# Altium PCB Beethoven-Clock_Brain-PCB.PcbDoc (part 2 of 2)
Units mm, origin at the board's own origin, x right, y up, seen from the top; angles counter-clockwise.
Board outline 45 x 115 mm, 4 copper layers (Top Layer, Mid 1 - GND, Mid 2 - PWR, Bottom Layer), stack 1.612 mm thick; 137 components, 77 nets, 403 pads, 213 vias.
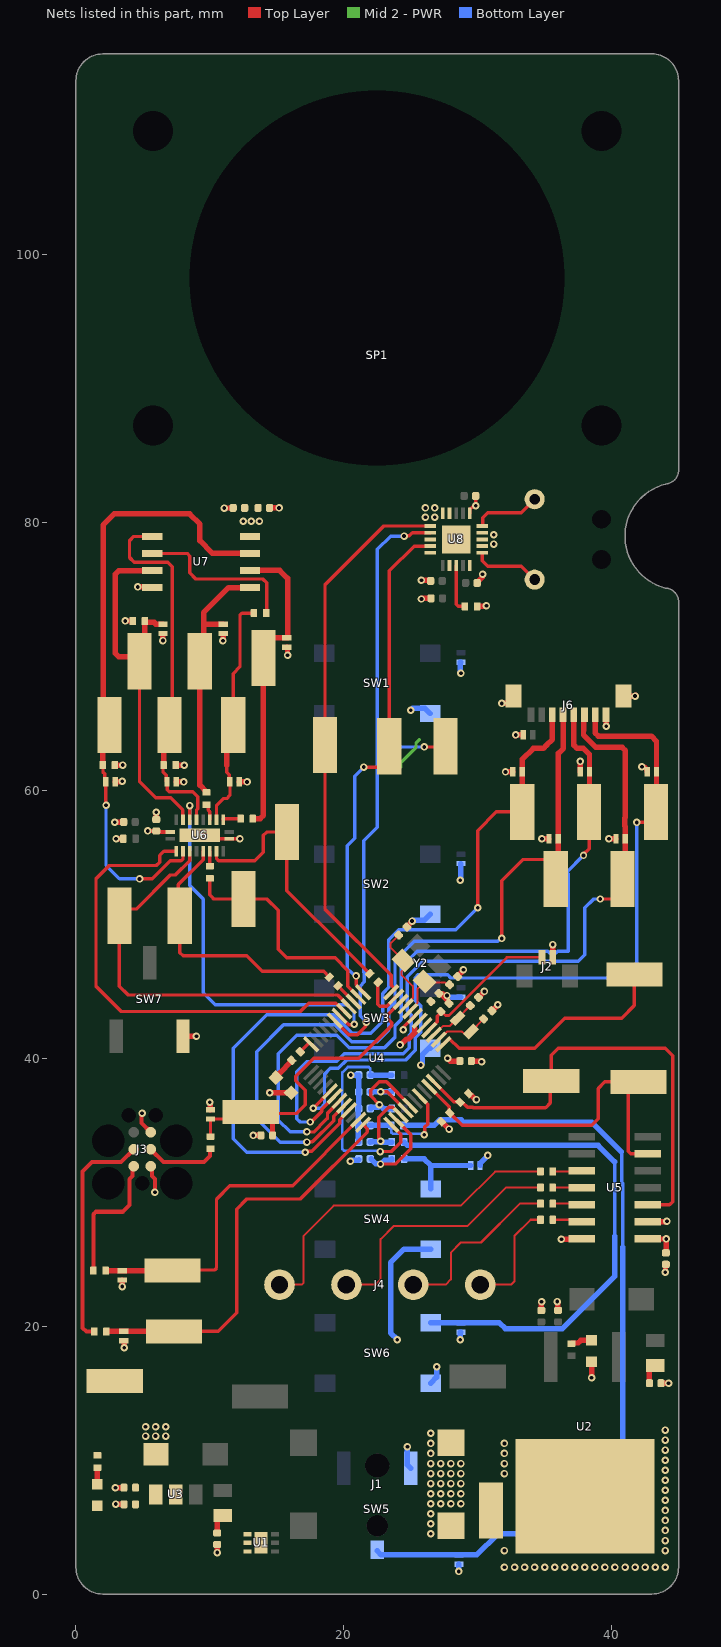
[diagram p4: the nets of this part, all layers, seen from the top]

## Via types
v1: diameter 0.559, hole 0.279, Top Layer to Bottom Layer, tented both sides, 213 vias

## Nets (pads, with @x,y where several pads share a name; then routed paths per layer and width w, separated by ;. In a path a pad name is that pad's centre, name@x,y a point inside that pad or via, vN(x,y) a via of type N, cw(c..) or ccw(c..) an arc to the next point about the centre after c; other vN are vias at no path point) (continued)
GND: C1.1 C2.1 C3.1 C4.1 C5.1 C6.1 C7.1 C8.1 C9.1 C10.1 C11.1 C12.1 C13.1 C14.1 C15.1 C16.1 C17.1 C18.1 C19.1 C20.1 C21.1 C22.2 C23.1 C24.1 C25.1 C26.1 C27.1 C31.1 C32.1 D2.2 D4.2 D5.2 D6.2 D7.2 D8.2 D9.2 D10.2 D11.2 D12.2 D13.2 D14.2 D15.2 D16.2 D17.2 D18.2 D19.2 D20.2 D21.2 D22.2 D23.2 D24.2 D25.2 D26.2 J1.2 J1.3 J2.2 J3.5 J6.8 J6.SH R22.1 R27.2 SW1.2 SW2.2 SW3.2 SW4.2 SW5.3 SW6.2 TP10.1 U1.1 U1.2 U1.3 U1.PAD U2.2 U3.2 U4.7 U5.2 U5.14 U6.10 U6.21 U7.4 U8.1 U8.4 U8.5 U8.8 U8.10 U8.12 U8.15 U8.17 U8.18 U8.19 U8.21 | length 73.5
  Top Layer w0.152: U7.4@5.549,75.199 U7.4@5.71,75.36
  Top Layer w0.254: U6.21@9.25,56.65 9.5,56.4 U6.10@11.45,56.4 v1(12.25,56.4) ; v1(24.433,42.133) 24.492,42.191 24.492,42.345 U4.7@25.32,43.173 ; U8.1@29.4,80.7 29.4,80.985 29.615,81.2 29.801,81.2 v1(29.86,81.258) ; v1@29.85,81.319 C26.1@29.85,82
  Top Layer w0.305: v1@5,36 4.942,35.942 v1(4.942,35.906) 4.9,35.864 4.9,35.173 J3.5@5.589,34.484
  Top Layer w0.406: v1(2.908,57.621) 2.922,57.636 3.556,57.636 C23.1@3.57,57.65 ; D19.2@2.925,60.65 2.925,60.664 2.928,60.667 3.446,60.667 v1(3.463,60.684) ; v1@2.956,7.95 C4.1@3.59,7.95 ; v1(2.984,6.719) 2.993,6.709 3.581,6.709 C5.1@3.59,6.7 ; v1(3,56.4) R22.1@3.545,56.4 ; v1(3.461,22.962) 3.466,22.967 3.466,23.45 D8.2@3.47,23.453 ; D7.2@3.57,18.928 3.597,18.928 3.6,18.925 v1(3.6,18.4) ; v1(3.68,72.665) 3.688,72.658 4.237,72.658 R27.2@4.245,72.65 ; v1(4.611,75.199) U7.4@5.549,75.199 ; C22.2@6,57.83 v1(6,58.384) ; v1(6.5,71.197) 6.5,71.722 6.4,71.722 6.403,71.725 D17.2@6.5,71.725 ; D15.2@7.5,60.65 7.5,60.649 7.503,60.645 8.042,60.645 v1(8.046,60.641) ; v1(10.55,3.1) C6.1@10.55,3.7 ; v1(10.981,71.182) 10.991,71.191 10.991,71.722 10.994,71.725 D20.2@11,71.725 ; v1(11.078,81.087) 11.085,81.093 11.733,81.093 C25.1@11.74,81.1 ; D16.2@12.2,60.65 12.2,60.648 12.203,60.645 12.775,60.645 v1(12.78,60.64) ; C24.1@14.46,81.1 v1@15.165,81.099 ; D18.2@15.75,70.7 15.797,70.7 15.8,70.697 v1(15.8,70.1) ; C20.1@24.708,49.808 24.708,49.833 25.102,50.227 v1(25.102,50.252) ; v1(25.8,74.3) 25.85,74.35 C32.1@26.52,74.35 ; v1(25.8,75.7) 26.44,75.7 C31.1@26.49,75.65 ; C16.1@27.108,44.858 27.129,44.837 27.359,44.837 27.468,44.728 v1@27.468,44.711 ; v1(27.708,44.693) 27.689,44.711 v1@27.468,44.711 ; C17.1@27.858,44.108 27.858,44.203 27.468,44.593 v1@27.468,44.711 ; C15.1@28.508,46.108 28.508,46.145 28.935,46.572 v1(28.935,46.61) ; C27.1@29.96,75.5 29.96,75.53 30.334,75.904 30.334,76.128 v1(30.363,76.157) ; C19.1@30.054,44.554 v1(30.5,45) ; C14.1@31.054,43.554 v1(31.5,44) ; v1(31.8,66.5) 32.278,66.5 32.675,66.897 J6.SH@32.675,67.05 ; v1(32.077,61.39) 32.082,61.395 32.622,61.395 D21.2@32.625,61.4 D21.2@32.625,61.4 ; v1@32.8,64.1 v1(32.85,64.15) D26.2@33.4,64.15 ; C1.1@34.75,21.18 34.76,21.19 34.76,21.823 v1(34.77,21.833) ; v1(34.8,56.4) D22.2@35.325,56.4 ; v1(35.946,21.842) 35.973,21.815 35.973,21.207 C2.1@36,21.18 ; v1(36.25,26.5) 37.742,26.5 U5.14@37.772,26.53 ; D23.2@37.65,61.4 37.652,61.402 37.652,62.172 v1(37.655,62.175) ; v1(38.5,16.15) D2.2@38.5,17.35 ; J6.8@39.575,65.65 39.6,65.625 39.588,65.613 39.588,64.812 v1(39.6,64.8) ; v1(39.8,56.4) D24.2@40.325,56.4 ; J6.SH@40.925,67 J6.SH@40.875,67.05 v1(41.75,67.05) v1@41.8,67.1 ; v1(42.262,61.768) 42.292,61.739 42.455,61.739 42.65,61.544 D25.2@42.65,61.4 ; U5.2@42.7,27.8 42.716,27.816 44.113,27.816 v1(44.129,27.832) ; C3.1@43.68,15.75 v1(44.25,15.75) ; v1(43.997,24.035) 44.024,24.062 44.024,24.594 C21.1@44.05,24.62
  Top Layer w0.407: v1(9.985,36.726) 10.014,36.697 10.014,36.179 10.018,36.175 D6.2@10.05,36.175 ; v1(13.25,34.25) C13.1@13.82,34.25 ; v1@14.4,37.5 v1(14.466,37.434) D5.2@16.066,37.434 ; C18.1@29.53,39.8 29.555,39.775 30.268,39.775 v1(30.293,39.751) ; J2.2@35.6,47.548 v1(35.6,48.5)
  Bottom Layer w0.406: v1(20.494,32.316) 20.535,32.316 20.622,32.403 21.088,32.403 C11.1@21.136,32.451 ; v1(20.529,38.754) 21.111,38.754 C12.1@21.115,38.75 C9.1@21.115,37.5 C8.1@21.115,36.25 21.093,36.228 21.093,35.023 21.07,35 21.093,34.978 21.093,33.772 C10.1@21.115,33.75 ; v1(24.75,11) 24.75,9.65 SW5.3@25,9.4 ; v1(25,66) 25.157,66.157 26.043,66.157 SW1.2@26.45,65.75 ; v1(25.102,50.252) 25.143,50.252 25.194,50.303 26.003,50.303 SW2.2@26.45,50.75 ; v1(25.75,39.5) 25.878,39.628 25.878,40.303 26.625,41.05 SW3.2@26.75,41.05 ; v1(27.708,44.693) 27.749,44.693 27.867,44.575 D11.2@28.75,44.575 ; v1(28.579,1.688) 28.589,1.699 28.589,2.222 28.593,2.225 D14.2@28.6,2.225 ; v1(28.7,19) 28.7,19.547 28.703,19.55 D9.2@28.75,19.55 ; v1(28.7,53.3) 28.75,53.35 D12.2@28.75,54.55 ; v1(28.75,68.75) 28.694,68.806 28.694,69.094 28.7,69.1 28.7,69.572 28.703,69.575 D13.2@28.75,69.575
  Bottom Layer w0.407: v1(24,19) 23.5,19.5 23.5,24.75 24.5,25.75 SW4.2@26.5,25.75 ; SW3.2@26.45,40.75 SW3.2@26.75,41.05 ; SW6.2@26.5,15.75 26.942,16.192 v1(26.942,16.967) ; D10.2@30.175,32 30.175,32.143 30.75,32.718 v1(30.75,32.75)
  other v1: 32,2 32.75,2 33.5,2 34.25,2 35,2 35.75,2 36.5,2 37.25,2 38,2 38.75,2 39.5,2 40.25,2 41,2 41.75,2 42.5,2 43.25,2 44,2 32,3.25 44,3.25 44,4 26.5,4.5 44,4.75 26.5,5.25 44,5.5 26.5,6 44,6.25 26.5,6.75 27.25,6.75 28,6.75 28.75,6.75 44,7 26.5,7.5 27.25,7.5 28,7.5 28.75,7.5 44,7.75 2.955,7.949 26.5,8.25 27.25,8.25 28,8.25 28.75,8.25 44,8.5 26.5,9 27.25,9 28,9 28.75,9 32,9 44,9.25 26.5,9.75 27.25,9.75 28,9.75 28.75,9.75 32,9.75 44,10 26.5,10.5 32,10.5 44,10.75 26.5,11.25 32,11.25 44,11.5 26.5,12 44,12.25 31.2,78.4 31.2,79.1 26.1,80.4 26.8,80.4 15.165,81.098 26.1,81.1 26.8,81.1
HOUR_SET_BUTTON: D10.1 R7.2 SW4.1 | length 6.9
  Bottom Layer w0.406: R7.2@24.5,32.5 26,32.5 26.5,32 ; SW4.1@26.5,30.25 26.5,32 ; D10.1@29.475,32 26.5,32
HSE_IN: C15.2 U4.8 Y2.2 | length 4.6
  Top Layer w0.152: U4.8@24.966,43.527 24.966,43.617 25.515,44.166 25.515,45.209 26.037,45.731 26.101,45.668 26.806,45.668 26.808,45.67 27.543,45.67 27.713,45.5 C15.2@27.9,45.5
HSE_OUT: C20.2 U4.9 Y2.1 | length 6.6
  Top Layer w0.152: C20.2@24.1,49.2 23.503,48.603 23.503,48.266 Y2.1@24.456,47.312 24.456,46.615 24.3,46.458 24.3,46.245 25.159,45.386 25.159,44.517 24.613,43.971 U4.9@24.613,43.881
I2C_SCL: R15.1 TP8.1 U4.45 U5.6 | length 26.8
  Top Layer w0.254: U4.45@26.381,37.887 27.883,36.385 27.883,35.961 28.843,35 38.5,35 39,35.5 39,37.75 39.5,38.25 TP8.1@42,38.25 41.25,37.5 41.25,33.049 41.419,32.88 U5.6@42.7,32.88
I2C_SDA: R14.1 TP9.1 U4.46 U5.3 | length 35.6
  Top Layer w0.254: U4.46@26.734,38.241 28.203,36.772 28.639,36.772 R14.1@28.678,36.733 28.845,36.733 29.238,36.34 29.632,36.34 29.657,36.315 35.065,36.315 35.418,36.668 35.418,38.218 TP9.1@35.5,38.3 35.5,40.25 36,40.75 44,40.75 44.554,40.196 44.554,29.304 44.32,29.07 U5.3@42.7,29.07
I2S_CLK: TP22.1 U4.12 U8.6 | length 42.3
  Top Layer w0.254: U4.12@23.552,44.941 23.806,45.195 23.806,45.214 23.552,45.468 23.552,46.198 18.6,51.15 TP22.1@18.6,63.4 18.6,75.35 23,79.75 U8.6@26.45,79.75
I2S_DATA: TP23.1 U4.13 U8.9 | length 37.8
  Top Layer w0.254: v1(20.92,46.156) 20.92,45.487 21.448,44.96 U4.13@21.448,44.941 ; v1(21.5,61.75) 22.627,61.75 23.4,62.523 TP23.1@23.4,63.3 23.4,76.4 25.25,78.25 U8.9@26.45,78.25
  Bottom Layer w0.254: v1(20.92,46.156) 20.838,46.156 20.474,46.52 20.43,46.52 20.25,46.7 20.25,55.862 20.819,56.431 20.819,61.069 v1(21.5,61.75)
I2S_WS: TP24.1 U4.19 U8.7 | length 49
  Top Layer w0.254: U4.19@19.327,42.82 20.372,41.774 21.024,41.774 21.609,42.359 21.609,42.4 21.636,42.427 21.636,42.642 v1(21.694,42.7) ; v1(24.5,79) 24.523,79.023 24.903,79.023 25.13,79.25 U8.7@26.45,79.25 ; v1(26,63.25) 27.55,63.25 TP24.1@27.6,63.3
  Bottom Layer w0.254: v1(21.694,42.7) 21.223,43.172 21.223,45.399 21.53,45.706 21.53,46.409 21.5,46.439 21.5,56.25 22.5,57.25 22.5,63.25 ; v1(24.5,79) 23.5,79 22.5,78 22.5,63.25 ; v1(26,63.25) 22.5,63.25
Key0: J4.1 R13.1 | length 8.5
  Top Layer w0.152: J4.1@30.2,23.1 32.484,23.1 32.75,23.366 32.75,26.75 33.95,27.95 R13.1@34.69,27.95
Key1: J4.2 R16.1 | length 13.2
  Top Layer w0.152: J4.2@25.2,23.1 27.6,23.1 28,23.5 28,25.5 28.75,26.25 30.25,26.25 33.15,29.15 R16.1@34.69,29.15
Key2: J4.3 R17.1 | length 19.3
  Top Layer w0.152: J4.3@20.2,23.1 22.35,23.1 22.75,23.5 22.75,26.5 23.75,27.5 29.25,27.5 32.1,30.35 R17.1@34.69,30.35
Key3: J4.4 R18.1 | length 25
  Top Layer w0.152: J4.4@15.2,23.1 16.85,23.1 17,23.25 17,26.75 19.25,29 28.75,29 31.3,31.55 R18.1@34.69,31.55
LSE_IN: C14.2 U4.2 Y1.2 | length 4.1
  Top Layer w0.152: U4.2@27.088,41.406 27.12,41.406 27.721,42.007 28.823,42.007 29.002,41.828 29.318,41.828 Y1.2@29.495,42.005 29.505,42.005 C14.2@30.446,42.946
LSE_OUT: C19.2 U4.3 Y1.1 | length 3.6
  Top Layer w0.152: U4.3@26.734,41.759 26.777,41.759 27.439,42.421 27.931,42.421 Y1.1@28.505,42.995 28.505,43.005 C19.2@29.446,43.946
MEM_nRST: U4.18 U6.17 | length 29.6
  Top Layer w0.254: v1(8.491,58.875) 8.496,58.87 8.496,57.829 U6.17@8.5,57.825 ; U4.18@19.68,43.173 19.698,43.173 20.356,42.516 20.748,42.516 v1(20.79,42.558)
  Bottom Layer w0.254: v1(8.491,58.875) 8.491,52.909 9.5,51.9 9.5,44.9 10.4,44 20.25,44 20.765,43.485 20.765,42.582 v1(20.79,42.558)
MEM_nRST_BUFF: D19.1 R25.1 TP19.1 U6.3 U7.7 | length 46.5
  Top Layer w0.25: R25.1@2,61.9 2.023,61.877 2.023,61.377 2.15,61.25 2.15,60.725 2.238,60.638 2.238,58.913 v1(2.25,58.9) ; v1(4.75,53.4) 5.706,53.4 7.053,54.747 7.847,54.747 8,54.9 U6.3@8,55.475
  Top Layer w0.406: R25.1@2,61.9 2,64.4 TP19.1@2.5,64.9 2.032,65.368 2.032,79.826 2.856,80.65 8.5,80.65 9.25,79.9 9.25,78.65 10.176,77.724 U7.7@12.976,77.724
  Bottom Layer w0.25: v1(2.25,58.9) 2.25,54.4 3.25,53.4 v1(4.75,53.4)
MEM_nWP: U4.17 U6.2 | length 35
  Top Layer w0.254: U6.2@7.5,55.475 6.575,55.475 6.25,55.15 6.25,54.65 6,54.4 2.5,54.4 1.5,53.4 1.5,45.4 3.4,43.5 16.75,43.5 17.376,44.126 19.416,44.126 20.015,43.527 U4.17@20.034,43.527
MEM_nWP_BUFF: D17.1 R27.1 TP11.1 U6.18 U7.3 | length 29.3
  Top Layer w0.25: TP11.1@4.75,69.65 4.75,60.65 5.951,59.449 7.095,59.449 7.955,58.589 7.955,58.551 7.985,58.522 7.985,57.84 U6.18@8,57.825
  Top Layer w0.406: R27.1@5.155,72.65 R27.1@5.155,72.595 ; U7.3@5.71,76.43 5.68,76.4 3.18,76.4 2.941,76.162 2.941,70.238 3.18,70 4.4,70 TP11.1@4.75,69.65 5.155,70.055 R27.1@5.155,72.595 ; D17.1@6.5,72.425 6.497,72.428 5.972,72.428 5.847,72.553 5.197,72.553 R27.1@5.155,72.595
MINUTE_SET_BUTTON: D9.1 R6.2 SW6.1 | length 40.4
  Bottom Layer w0.254: 40.226,26.726 40.226,32.274
  Bottom Layer w0.406: R6.2@24.5,33.75 24.5,33.695 24.542,33.653 24.597,33.653 24.75,33.5 39,33.5 40.226,32.274 ; SW6.1@26.5,20.25 D9.1@28.75,20.25 31.623,20.25 32.058,19.814 36.314,19.814 40.226,23.726 40.226,26.726
NetC3_2: C3.2 R29.1 | length 1.6
  Top Layer w0.407: C3.2@42.82,15.75 42.82,16.788 43.101,17.07 R29.1@43.25,17.07
NetC6_2: C6.2 R30.1 | length 1.5
  Top Layer w0.406: C6.2@10.55,4.56 10.55,5.588 10.832,5.87 R30.1@10.95,5.87
NetC7_2: C7.2 R3.1 U4.43 | length 7.9
  Top Layer w0.254: U4.43@25.673,37.18 25.673,37.162 26.271,36.565 26.271,35.093 26.058,34.881 26.058,34.364 v1(26,34.306)
  Bottom Layer w0.203: R3.1@23.545,35 23.545,34.482 23.664,34.363 25.943,34.363 v1(26,34.306)
  Bottom Layer w0.406: C7.2@21.93,35 R3.1@23.545,35
NetC8_2: C8.2 R4.1 U4.41 | length 7.1
  Top Layer w0.254: v1(22.66,36.539) 22,37.2 22,37.612 22.638,38.25 23.189,38.25 U4.41@24.966,36.473
  Bottom Layer w0.406: C8.2@22,36.25 22,36.305 22.042,36.347 22.56,36.347 22.682,36.469 22.682,36.518 v1(22.66,36.539) ; v1@22.731,36.468 22.95,36.25 R4.1@23.59,36.25
NetC9_2: C9.2 R5.1 U4.40 | length 4
  Top Layer w0.254: v1(22.75,37.5) 23.232,37.5 U4.40@24.613,36.119
  Bottom Layer w0.406: C9.2@21.975,37.5 v1(22.75,37.5) R5.1@23.59,37.5
NetC10_2: C10.2 R6.1 U4.39 | length 5.7
  Top Layer w0.254: v1(22.75,33.806) 22.75,33.889 22.601,34.037 22.601,35.618 23.346,36.363 23.644,36.363 24.241,35.766 U4.39@24.259,35.766
  Bottom Layer w0.406: C10.2@21.975,33.75 22.003,33.778 22.722,33.778 v1(22.75,33.806) ; v1@22.75,33.75 R6.1@23.59,33.75
NetC11_2: C11.2 R7.1 U4.38 | length 7.3
  Top Layer w0.254: v1(22.742,32.11) 23.86,32.11 25,33.25 25,34.318 U4.38@23.906,35.412
  Bottom Layer w0.406: C11.2@22.045,32.5 22.045,32.47 22.376,32.139 22.713,32.139 v1(22.742,32.11) 22.784,32.11 23.077,32.403 23.548,32.403 23.59,32.445 R7.1@23.59,32.5
NetC12_2: C12.2 R8.1 U4.37 | length 16.4
  Top Layer w0.254: v1(22.716,33.045) 23.545,33.045 24.25,33.75 24.25,34.343 23.552,35.04 U4.37@23.552,35.059
  Bottom Layer w0.203: C12.2@21.975,38.75 21.975,39.236 21.856,39.355 20.304,39.355 19.895,38.946 19.895,33.224 20.014,33.105 22.656,33.105 v1(22.716,33.045)
  Bottom Layer w0.406: C12.2@21.975,38.75 R8.1@23.59,38.75
NetD2_1: D2.1 R1.1 | length 1.6
  Top Layer w0.407: R1.1@37,18.705 37.042,18.747 37.497,18.747 37.7,18.95 D2.1@38.5,18.95
NetD4_1: D4.1 R2.1 | length 1.2
  Top Layer w0.407: D4.1@1.6,8.2 R2.1@1.6,9.445
NetD5_1: D5.1 R9.2 | length 1.4
  Top Layer w0.406: D5.1@15.184,38.875 16.107,39.797 R9.2@16.107,39.857
NetJ3_2: J3.2 R10.2 | length 10.2
  Top Layer w0.305: R10.2@1.31,24.153 1.31,28.36 1.5,28.55 3.5,28.55 4,29.05 4,30.976 4.228,31.204 4.228,31.852 J3.2@4.319,31.943
NetJ3_3: J3.3 R11.1 | length 5.6
  Top Layer w0.305: J3.3@5.589,33.213 6.535,32.267 9.567,32.267 10.026,32.726 10.026,33.226 R11.1@10.05,33.25
NetJ3_4: J3.4 R12.2 | length 17.2
  Top Layer w0.305: R12.2@1.365,19.603 0.779,19.603 0.5,19.882 0.5,31.55 1.217,32.267 3.373,32.267 J3.4@4.319,33.213
NetR9_1: R9.1 U4.24 | length 1.1
  Top Layer w0.254: R9.1@16.75,40.5 17.421,41.171 17.44,41.171 U4.24@17.559,41.052
NetR13_2: R13.2 U5.13 | length 2.2
  Top Layer w0.152: R13.2@35.6,27.95 37.622,27.95 U5.13@37.772,27.8
NetR16_2: R16.2 U5.12 | length 2.2
  Top Layer w0.152: R16.2@35.6,29.15 37.692,29.15 U5.12@37.772,29.07
NetR17_2: R17.2 U5.11 | length 2.2
  Top Layer w0.152: R17.2@35.6,30.35 37.762,30.35 U5.11@37.772,30.34
NetR18_2: R18.2 U5.10 | length 2.2
  Top Layer w0.152: R18.2@35.6,31.55 37.712,31.55 U5.10@37.772,31.61
NetR19_2: R19.2 U6.12 | length 1.4
  Top Layer w0.254: U6.12@11,57.825 11,57.887 11.013,57.9 R19.2@12.295,57.9
NetR20_2: R20.2 U6.14 | length 1.2
  Top Layer w0.254: R20.2@9.75,58.945 9.776,58.945 9.894,58.827 9.894,58.542 10.002,58.434 U6.14@10.002,57.827
NetR21_2: R21.2 U6.7 | length 1.1
  Top Layer w0.254: R21.2@10,54.355 U6.7@10,55.475
NetR23_2: R23.2 U4.11 | length 3.4
  Top Layer w0.254: R23.2@22.572,45.678 22.533,45.639 22.533,45.472 22.539,45.466 22.539,44.052 22.688,43.903 23.202,43.903 23.887,44.588 U4.11@23.906,44.588
NetR26_1: R26.1 U4.15 | length 1.7
  Top Layer w0.254: R26.1@19.572,45.428 20.014,44.986 20.014,44.979 20.741,44.253 U4.15@20.741,44.234
NetR28_1: R28.1 U8.13 | length 3.5
  Top Layer w0.254: U8.13@28.4,76.8 28.4,73.899 28.549,73.75 R28.1@28.911,73.75
NetR31_2: R31.2 U7.2 | length 12.4
  Top Layer w0.254: U7.2@5.71,77.7 8.3,77.7 8.5,77.5 8.5,76.25 8.956,75.794 13.956,75.794 14.25,75.5 R31.2@14.25,73.25
NetSP1_N: SP1.N U8.16 | length 5.1
  Top Layer w0.254: U8.16@30.35,77.75 30.35,77.15 30.75,76.75 33.25,76.75 SP1.N@34.25,75.75
NetSP1_P: SP1.P U8.20 | length 5.1
  Top Layer w0.254: U8.20@30.35,79.75 30.359,79.75 30.372,79.763 30.372,80.372 30.75,80.75 33.25,80.75 SP1.P@34.25,81.75
nRST: C13.2 D6.1 R11.2 TP5.1 U4.10 | length 24.3
  Top Layer w0.254: R11.2@10.05,34.16 D6.1@10.05,35.475 12.525,35.475 TP5.1@13.05,36 ; TP5.1@14.237,35.887 16.488,35.887 17.125,36.523 17.125,37.625 16.418,38.332 16.418,38.668 17.75,40 21.13,40 23.585,42.455 23.585,42.665 23.243,43.007 23.243,43.218 U4.10@24.259,44.234
  Top Layer w0.407: TP5.1@13.05,36 14.123,36 14.237,35.887 14.68,35.444 C13.2@14.68,34.25
RTC_CAL: TP4.1 U4.1 | length 18.6
  Top Layer w0.254: U4.1@27.441,41.052 27.81,41.421 27.829,41.421 27.882,41.475 28.607,40.75 34.25,40.75 36.5,43 40.75,43 41.7,43.95 TP4.1@41.7,46.25 ; TP4.1@41.65,46 TP4.1@41.65,46.25
SHIFT_DATA_CLK: D22.1 J6.4 TP26.1 U4.32 | length 61.7
  Top Layer w0.254: v1(17.25,33.75) 17.26,33.76 17.666,33.76 19.243,35.338 19.243,35.604 19.251,35.611 19.251,35.672 20.034,36.455 U4.32@20.034,36.473 ; v1(31.792,48.953) 31.792,53.249 33.395,54.853 35.099,54.853 35.825,54.127 TP26.1@35.825,53.4
  Top Layer w0.406: TP26.1@35.825,53.4 36.025,53.6 D22.1@36.025,56.4 36.025,62.775 36.4,63.15 36.4,65.625 J6.4@36.375,65.65
  Bottom Layer w0.254: v1(17.25,33.75) 15.25,33.75 13.5,35.5 13.5,40.5 15.5,42.5 19.339,42.5 20.589,41.25 22.5,41.25 23.366,42.116 23.366,43.727 23.827,44.188 23.827,47.327 25.25,48.75 31.506,48.75 31.709,48.953 v1(31.792,48.953)
SHIFT_DATA_IN: D25.1 J6.7 TP25.1 U4.29 | length 59.2
  Top Layer w0.254: v1(17.719,36.272) 17.719,36.276 18.973,37.53 U4.29@18.973,37.534 ; v1(41.87,57.616) 42.552,57.616 43.325,58.389 TP25.1@43.325,58.4
  Top Layer w0.406: J6.7@38.775,65.65 38.775,64.3 39.013,64.062 42.966,64.062 43.35,63.678 D25.1@43.35,61.4 43.35,58.425 TP25.1@43.325,58.4
  Bottom Layer w0.254: v1(17.719,36.272) 18.272,36.272 18.563,36.563 18.563,38.813 19,39.25 19.589,39.25 20.217,39.878 24.628,39.878 25.345,40.595 25.345,41.537 25.75,41.942 25.75,43.916 25.345,44.321 25.345,46.037 25.538,46.23 27.77,46.23 28,46 40.75,46 41.87,47.12 v1(41.87,57.616)
SHIFT_MCLR: D21.1 J6.3 TP28.1 U4.33 | length 62.6
  Top Layer w0.254: v1(17.123,32.999) 17.182,33.057 17.609,33.057 19.7,35.149 19.7,35.414 20.387,36.101 U4.33@20.387,36.119 ; v1(30,51.25) 30,57 31.4,58.4 TP28.1@33.325,58.4
  Top Layer w0.406: TP28.1@33.325,58.4 D21.1@33.325,61.4 33.325,62.325 34.15,63.15 34.912,63.15 35.15,63.388 35.15,63.4 35.575,63.825 J6.3@35.575,65.65
  Bottom Layer w0.254: v1(17.123,32.999) 12.751,32.999 11.75,34 11.75,40.75 14.25,43.25 19.235,43.25 20.619,41.866 22.012,41.866 22.909,42.764 22.909,44.842 23.37,45.303 23.37,48.87 24.103,49.603 28.353,49.603 v1(30,51.25)
SHIFT_nOE: D24.1 J6.6 TP29.1 U4.30 | length 58.4
  Top Layer w0.254: v1(17.5,35.25) 17.56,35.25 18.344,36.034 18.344,36.197 U4.30@19.327,37.18 ; v1(39.15,51.9) 40.052,51.9 40.825,52.673 TP29.1@40.825,53.4
  Top Layer w0.406: J6.6@37.975,65.65 37.928,65.603 37.928,64.515 37.9,64.487 37.9,64.15 38.83,63.22 40.787,63.22 41.025,62.982 41.025,57.995 40.964,57.934 40.964,57.366 41.025,57.305 41.025,53.6 TP29.1@40.825,53.4
  Bottom Layer w0.254: v1(17.5,35.25) 16.75,35.25 16.5,35.5 16.5,39 17.27,39.77 19.462,39.77 20.028,40.336 24.436,40.336 24.888,40.788 24.888,41.726 25.043,41.881 25.043,43.251 24.742,43.552 24.742,46.08 25.911,47.25 37.5,47.25 38,47.75 38,51.25 38.65,51.9 v1(39.15,51.9)
SHIFT_STORE_CLK: D23.1 J6.5 TP27.1 U4.31 | length 58.7
  Top Layer w0.254: v1(17.25,34.512) 17.262,34.5 17.759,34.5 18.661,35.402 18.661,35.411 18.786,35.536 18.786,35.914 19.68,36.808 U4.31@19.68,36.827 ; v1(37.9,55.15) 37.9,55.232 38.325,55.657 TP27.1@38.325,58.4
  Top Layer w0.406: J6.5@37.175,65.65 37.175,63.388 37.413,63.15 37.9,63.15 38.35,62.7 D23.1@38.35,61.4 38.35,58.425 TP27.1@38.325,58.4
  Bottom Layer w0.254: v1(17.25,34.512) 15.988,34.512 15.107,35.393 15.107,40.357 16.48,41.73 19.462,41.73 20.399,40.793 23.043,40.793 23.824,41.574 23.824,42.44 24.285,42.901 24.285,46.785 25.5,48 35.238,48 35.347,47.89 35.853,47.89 35.962,48 36.75,48 36.75,53.8 36.65,53.9 v1(37.9,55.15)
SPI_CLK: R23.1 TP16.1 U6.8 | length 20.7
  Top Layer w0.254: U6.8@10.5,55.475 10.5,54.894 10.649,54.745 13.345,54.745 14,55.4 14,56.65 14.25,56.9 TP16.1@15.75,56.9 15.75,52.525 20.25,48.025 20.25,48 R23.1@21.928,46.322
SPI_CLK_BUFF: D18.1 R19.1 TP20.1 U7.6 | length 23
  Top Layer w0.406: U7.6@13.01,76.44 15.21,76.44 15.801,75.849 15.801,71.403 15.798,71.4 15,71.4 14.697,71.4 14,70.703 TP20.1@14,69.9 14,58.15 13.75,57.9 R19.1@13.205,57.9
SPI_CS: TP12.1 U4.16 U6.4 | length 30.7
  Top Layer w0.254: U6.4@8.5,55.475 8.5,54.756 7.434,53.69 7.04,53.69 4.5,51.15 3.75,51.15 TP12.1@3.25,50.65 3.25,45.4 3.917,44.733 19.535,44.733 U4.16@20.387,43.881
SPI_CS_BUFF: D15.1 R24.1 TP13.1 U6.16 U7.1 | length 27.9
  Top Layer w0.25: R24.1@6.545,61.9 6.5,61.855 6.5,61.4 6.75,61.15 6.75,60.7 6.809,60.641 6.809,60.048 6.956,59.902 8.732,59.902 9.099,59.535 9.099,58.623 9,58.524 U6.16@9,57.825
  Top Layer w0.254: U7.1@5.71,78.97 4.32,78.97 4,78.65 4,77.4 4.355,77.045 6.855,77.045 7.18,76.72 7.18,65.08 TP13.1@7,64.9
  Top Layer w0.406: R24.1@6.545,61.9 6.545,64.445 TP13.1@7,64.9
SPI_MISO: R21.1 TP14.1 U4.14 | length 20
  Top Layer w0.254: R21.1@10,53.445 10,52.202 10.149,52.053 10.153,52.053 10.307,51.9 TP14.1@12.5,51.9 TP14.1@12.5,52.673 ; TP14.1@12.5,53.655 TP14.1@12.5,52.673 ; 15.249,48 15.1,48.149 15.1,51.05 14.25,51.9 13.273,51.9 TP14.1@12.5,52.673 ; 15.25,48 15.75,47.5 19.351,47.5 20.311,46.541 20.311,45.386 21.094,44.602 U4.14@21.094,44.588
SPI_MISO_BUFF: D16.1 R31.1 TP21.1 U6.13 | length 17.5
  Top Layer w0.25: U6.13@10.5,57.825 10.5,58.9 11,59.4 11.25,59.4 11.5,59.65 D16.1@11.5,60.65 11.46,60.69 11.46,61.19 11.273,61.377 11.273,61.877 11.25,61.9
  Top Layer w0.254: TP21.1@11.75,64.9 11.75,68.726 12.25,69.226 12.25,73.101 12.399,73.25 R31.1@13.295,73.25
  Top Layer w0.406: 11.25,61.9 11.25,64.4 TP21.1@11.75,64.9
SPI_MOSI: R26.2 TP15.1 U6.6 | length 20.3
  Top Layer w0.254: U6.6@9.5,55.475 9.5,54.838 7.644,52.982 7.644,50.756 TP15.1@7.75,50.65 7.75,47.9 8,47.65 12.75,47.65 13.9,46.5 18.5,46.5 R26.2@18.928,46.072
SPI_MOSI_BUFF: D20.1 R20.1 TP17.1 U7.5 | length 19.4
  Top Layer w0.406: 9.533,72.425 9.533,69.933 TP17.1@9.25,69.65 9.25,60.4 9.75,59.9 R20.1@9.75,59.855 ; D20.1@11,72.425 9.575,72.425 9.533,72.467 9.533,73.283 11.4,75.15 12.99,75.15 U7.5@13,75.16
SWD_CLK: D7.1 R12.1 TP7.1 U4.36 | length 30.8
  Top Layer w0.254: TP7.1@7.295,19.628 10.628,19.628 12,21 12,28.75 12.75,29.5 16.75,29.5 21.75,34.5 21.75,34.757 U4.36@21.448,35.059
  Top Layer w0.406: R12.1@2.3,19.628 D7.1@3.57,19.628 TP7.1@7.295,19.628
SWD_IO: D8.1 R10.1 TP6.1 U4.35 | length 26.7
  Top Layer w0.254: TP6.1@7.096,24.2 10.351,24.2 10.5,24.349 10.5,29.5 11.5,30.5 16.182,30.5 U4.35@21.094,35.412
  Top Layer w0.406: R10.1@2.22,24.153 D8.1@3.47,24.153 TP6.1@7.22,24.153
TIME_SWITCH: D14.1 R3.2 SW5.2 | length 63.9
  Bottom Layer w0.254: 40.728,33.025 40.759,32.994 40.759,30.737 40.835,30.661 40.835,25.915
  Bottom Layer w0.406: SW5.2@22.5,3.222 22.797,2.925 D14.1@28.6,2.925 ; R3.2@24.455,35 26.75,35 27.155,35.405 28.762,35.405 28.917,35.25 38.503,35.25 40.728,33.025 ; 40.835,10.335 40.835,25.915
  Bottom Layer w0.407: D14.1@28.6,2.925 29.925,2.925 31.5,4.5 38.75,4.5 40.835,6.585 40.835,10.335
VBAT: C17.2 J2.1 U4.4 | length 11.2
  Top Layer w0.203: C17.2@27.25,43.5 27.314,43.5 27.611,43.203 27.848,43.203 32.192,47.548 J2.1@34.8,47.548
  Top Layer w0.254: U4.4@26.381,42.113 26.381,42.131 26.978,42.728 26.978,43.134 27.25,43.407 C17.2@27.25,43.5
VCC: C4.2 C5.2 C16.2 C18.2 C21.2 C22.1 C24.2 C25.2 D3.A J3.1 R2.2 R14.2 R15.2 R24.2 R25.2 R28.2 SW7.3 TP3.1 U3.3 U4.5 U4.6 U5.1 U6.20 U7.8 | length 16.1
  Top Layer w0.305: v1(5.37,56.986) 5.378,56.978 5.992,56.978 6.058,56.912 7.038,56.912 U6.20@7.05,56.9 ; J3.1@5.589,31.943 5.681,31.852 5.681,31.204 5.9,30.984 v1(5.9,30)
  Top Layer w0.406: R25.2@2.91,61.9 v1(3.5,61.9) ; R24.2@7.455,61.9 7.458,61.897 8.084,61.897 v1(8.087,61.893) ; SW7.3@8,41.65 v1(9,41.65) ; R15.2@27.278,35.278 27.292,35.278 27.85,34.72 v1(27.864,34.72) ; R14.2@29.322,37.377 29.361,37.338 29.42,37.338 29.803,36.954 29.88,36.954 v1(29.909,36.925) ; R28.2@29.955,73.75 30.6,73.75 v1(30.65,73.8)
  Top Layer w0.407: v1(24.2,41) 24.241,41 24.687,41.446 24.846,41.446 25.3,41.9 25.3,42.2 ; v1(27.75,40) 27.95,39.8 C18.2@28.67,39.8 ; U5.1@42.715,26.515 v1(44.08,26.515) ; C21.2@44.073,25.503 v1@44.073,26.515
  Mid 2 - PWR w0.254: 24.25,61.75 24.25,62.068 25.39,63.208 25.39,63.54 25.65,63.8
  other v1: 5.2,11.8 5.95,11.8 6.7,11.8 5.2,12.5 5.95,12.5 6.7,12.5 12.5,80.1 13.1,80.1 13.7,80.1
pads on no net: J1. J2.3 J2.4 J3.6 J3.7 J3.8 J3.9 J3.10 J3.11 J3.12 J3.13 SP1.1 SP1.H SW1.3 SW1.4 SW2.3 SW2.4 SW3.3 SW3.4 SW4.3 SW4.4 SW5.1 SW6.3 SW6.4 SW7.1 U4.21 U4.22 U4.23 U4.25 U4.26 U4.27 U4.28 U4.34 U4.42 U4.44 U5.7 U5.8 U5.9 U6.5 U6.9 U6.11 U6.15 Y2.3 Y2.4

## Polygon pours and split planes (outlines as drawn)
VCC on Top Layer "NONET_L01_P-001" (solid, remove dead copper, pour order 15): 26.4,44.6 26.1,44.3 26.1,43.6 25,42.5 25,42.3 25.5,41.8 25.7,41.8 26.7,42.8 26.7,43.9 26.9,44.1 26.9,44.3 26.6,44.6
VCC on Top Layer "Top Layer-VCC" (solid, remove dead copper, pour order 8): 4,6.25 4.125,6.125 4.25,6.125 4.25,5.25 4.75,4.75 6,4.75 6.75,5.5 6.75,8 7.25,8.5 7.25,17 7,17.25 0.5,17.25 0.25,17 0.25,12.5 0.25,6.5 2,6.5 3,7.5 3.75,7.5 4,7.25
+12 on Top Layer "Top Layer-+12" (solid, remove dead copper, pour order 1): 8.25,5.5 8.5,5.25 9.75,5.25 10.25,5.75 13.85,5.75 14.512,5.088 14.479,2 14.487,1.25 18.75,1.25 18.75,12 19.5,12.75 40.5,12.75 42.25,14.5 42.25,17.5 42.75,18 43.75,18 44.25,18.5 44.25,23 43.75,23.5 40.75,23.5 40.5,23.25 40.5,21.5 39.75,20.75 39.75,15.5 39.25,15 23.25,15 12.75,15 11.25,13.5 10,13.5 8.25,11.75
GND on Top Layer "NONET_L01_P-001" (solid, remove dead copper, pour order 18): 2.452,0 42.298,0 cw(c42.5,0) 42.5,0.202 42.673,0.202 44.866,2.151 cw(c45,2) 45,2.202 45,12.5 0,12.5 0,2.202 cw(c0,2) 0.134,2.151 2.384,0.151 cw(c2.25,0)
+5 on Top Layer "Top Layer-+5" (solid, remove dead copper, pour order 28): 27.5,15.5 27.75,15.25 35.75,15.25 36.25,15.75 36.25,18.75 37.75,20.25 38.75,20.25 39.25,20.75 39.25,22.75 39,23 39,25.5 38.75,25.75 35,25.75 34.75,25.5 34.75,23.25 29.5,18 27.75,18 27.5,17.75
GND on Top Layer "Top Layer-GND" (solid, remove dead copper, pour order 9): 25.9,77.7 26,77.6 27.6,77.6 27.7,77.5 27.7,76.4 27.8,76.3 28,76.3 28.1,76.4 28.1,77.5 28.2,77.6 29.1,77.6 29.2,77.5 29.2,76.4 29.3,76.3 29.5,76.3 29.6,76.4 29.6,77.8 29.8,78 31.4,78 31.5,78.1 31.5,79.3 31.4,79.4 29.9,79.4 29.7,79.6 29.7,79.7 29.5,79.9 28.2,79.9 28.1,80 28.1,81.2 27.9,81.4 25.8,81.4 25.7,81.3 25.7,80.2 25.8,80.1 27.2,80.1 27.2,79 27.1,78.9 26,78.9 25.9,78.8 25.9,78.7 26,78.6 27.1,78.6 27.2,78.5 27.2,78.1 27.1,78 26,78 25.9,77.9
VCC on Top Layer "NONET_L01_P-001" (solid, remove dead copper, pour order 10): 12.4,81.6 12.2,81.4 12.2,78.7 12.4,78.5 13.8,78.5 14,78.7 14,81.4 13.8,81.6
+5 on Mid 2 - PWR "Mid 2 - PWR-+5" (solid, remove dead copper, pour order 24): 31.25,16.25 32,15.5 38.5,15.5 43,20 43,71 41.25,72.75 30.75,72.75 30.25,73.25 30.25,83 30,83.25 25.25,83.25 24.25,82.25 24.25,71.75 25.25,70.75 28.5,70.75 33,66.25 33,54.798 33,19.5 31.25,17.75
VCC on Mid 2 - PWR "NONET_L01_P-001" (solid, remove dead copper, pour order 27): 0,2 0,113 cw(c2,113) 2,115 43,115 cw(c43,113) 45,113 45,84 cw(c43.955,83.925) 44.03,82.881 ccw(c45,79) 44.03,75.119 cw(c43.955,74.075) 45,74 45,2 cw(c43,2) 43,0 2,0 cw(c2,2)
GND on Mid 1 - GND "NONET_L01_P-001" (solid, remove dead copper, pour order 23): 0,2 0,113 cw(c2,113) 2,115 43,115 cw(c43,113) 45,113 45,84 cw(c43.955,83.925) 44.03,82.881 ccw(c45,79) 44.03,75.119 cw(c43.955,74.075) 45,74 45,2 cw(c43,2) 43,0 2,0 cw(c2,2)

## Other copper
Multi-Layer:
  pour cut-out: 12.5,20.5 13.5,19.5 31,19.5 34.5,23 34.5,26.5 35,27 39.5,27 40,27.5 40,32 39.5,32.5 25,32.5 24,31.5 19.5,31.5 16.5,28.5 14,28.5 12.5,27

## Silkscreen, mask and mechanical layers (free items; w line width, h text height)
Top Overlay:
  lines w0.2: 2.25,83.75 2.25,112 2.25,112.75 ; 2.25,83.763 42.75,83.988 ; 2.25,112.748 42.75,112.5 42.75,84.75 42.75,84 ; 43.25,94 44.75,94 ; 43.25,102 44.75,102 ; 44.25,93.5 44.75,94 ; 44.25,94.5 44.75,94 ; 44.25,101.5 44.75,102 ; 44.25,102.5 44.75,102
  text "SPEAKER" at 18.325,113.359 h2
  text "WIRES" at 44.641,95.123 h2 r90
  text "RED" at 38.1,81.334 h1.3
  text "+" at 33.25,77.982 h5
  text "BLACK" at 37.639,75.084 h1.3
  text "-" at 33.5,72.652 h7
  text "LED PCB PWR + DATA" at 29.875,68.72 h1.5
  text "MEM nWP" at 3.57,68.316 h1 r90
  text "MOSI BUFF" at 8.07,68.269 h1 r90
  text "CLK BUFF" at 12.82,68.281 h1 r90
  text "MEM / nRST" at 5.779,63.366 h1.3 r90
  text "MISO / BUFF" at 15.036,63.352 h1.3 r90
  text "CS BUFF" at 9.165,62.293 h1.3 r90
  text "I2S CLK" at 20.98,61.066 h1.5 r90
  text "I2S WS" at 29.98,61.074 h1.5 r90
  text "I2S DATA" at 25.73,60.33 h1.5 r90
  text "DATA IN" at 42.066,58.201 h1.3 r90
  text "STORE CLK" at 37.066,57.635 h1.3 r90
  text "nMCLR" at 32.016,56.478 h1.3 r90
  text "nOE" at 39.566,52.807 h1.3 r90
  text "DATA / CLK" at 34.679,51.795 h1.3 r90
  text "SPI MISO" at 14.666,49.369 h1.3 r90
  text "SPI CS" at 5.416,48.802 h1.3 r90
  text "SPI MOSI" at 9.748,47.943 h1.3 r90
  text "SPI CLK" at 16.916,46.8 h1.3 r90
  text "RTC CAL" at 38.958,43.77 h1.5
  text "BATT IN" at 32.933,43.72 h1.5
  text "BUFFER / DISABLE" at 10.279,42.899 h1.25
  text "nRST" at 10.857,37.342 h1.5
  text "DEBUG" at 16.803,36.109 h1.3 r315
  text "I2C SDA" at 32.953,36.02 h1.5
  text "I2C SCL" at 39.552,36.02 h1.5
  text "CAP TOUCH IN" at 16.202,30.109 h2
  text "SWD" at 2.999,27.109 h2
  text "SWD IO" at 4.851,25.52 h1.5
  text "SWD CLK" at 4.631,20.834 h1.3
  text "PWR IN" at 18.538,15.299 h2.5
  text "+5V" at 29.83,14.028 h1.5
  text "+3.3V" at 1.302,13.79 h1.3
  text "+12V" at 12.207,12.518 h1.5
  text "GND" at 28.581,2.52 h1.5
Bottom Overlay:
  lines w0.2: 43.25,94 44.75,94 ; 43.25,102 44.75,102 ; 44.25,93.5 44.75,94 ; 44.25,94.5 44.75,94 ; 44.25,101.5 44.75,102 ; 44.25,102.5 44.75,102 ; 17.25,1.75 27.75,1.75 27.75,11.6 17.25,11.6 17.25,2.75 17.25,1.75 ; 31,25 44,25 44,52 31,52 31,25 ; 32,57 44,57 44,64 32,64 32,57
  text "WIRES" at 44.641,95.123 h2 r90
  text "+" at 33.25,82.482 h5
  text "-" at 33.5,72.402 h7
  text "S/N" at 44.032,64.491 h3
  text "Beethoven Clock / Brain PCB / Mk. II / Mark Hofmeister / HofLab, 11/2024" at 16.727,64.226 h2
  text "DISPLAY" at 24.705,62.609 h2
  text "ALARM  / ENABLE" at 24.928,56.991 h2
  text "Notes" at 44.027,52.491 h3
  text "ALARM SET" at 25.558,47.109 h2
  text "HOUR" at 18.91,32.02 h1.5
  text "MINUTE" at 22.485,13.028 h1.5
  text "AM/PM" at 15.581,6.173 h1.8
  text "24H" at 32.141,6.171 h1.8
  text "TIME FORMAT" at 26.888,0.352 h1.4
Outline:
  the board outline again, w0.2